# Altium PCB FX_MQTT.PcbDoc
Units mil, origin at the board's own origin, x right, y up, seen from the top; angles counter-clockwise.
Board outline 3162.42 x 1663.57 mil, 2 copper layers (Top Layer, Bottom Layer); 44 components, 42 nets, 253 pads, 133 vias.
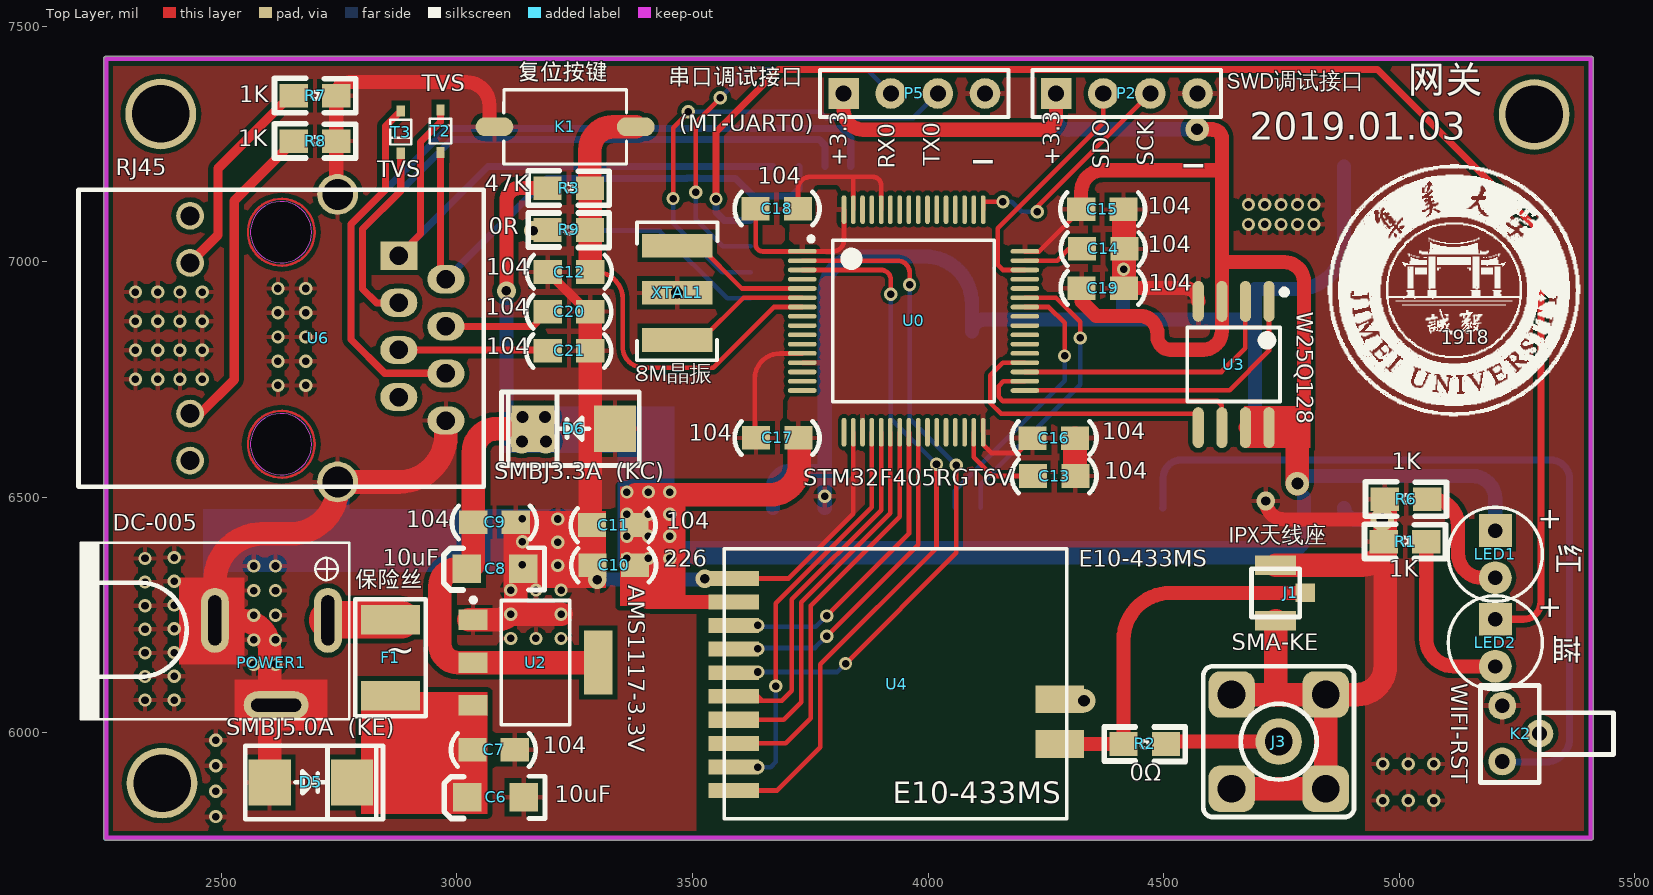
[diagram p0: Top Layer view]
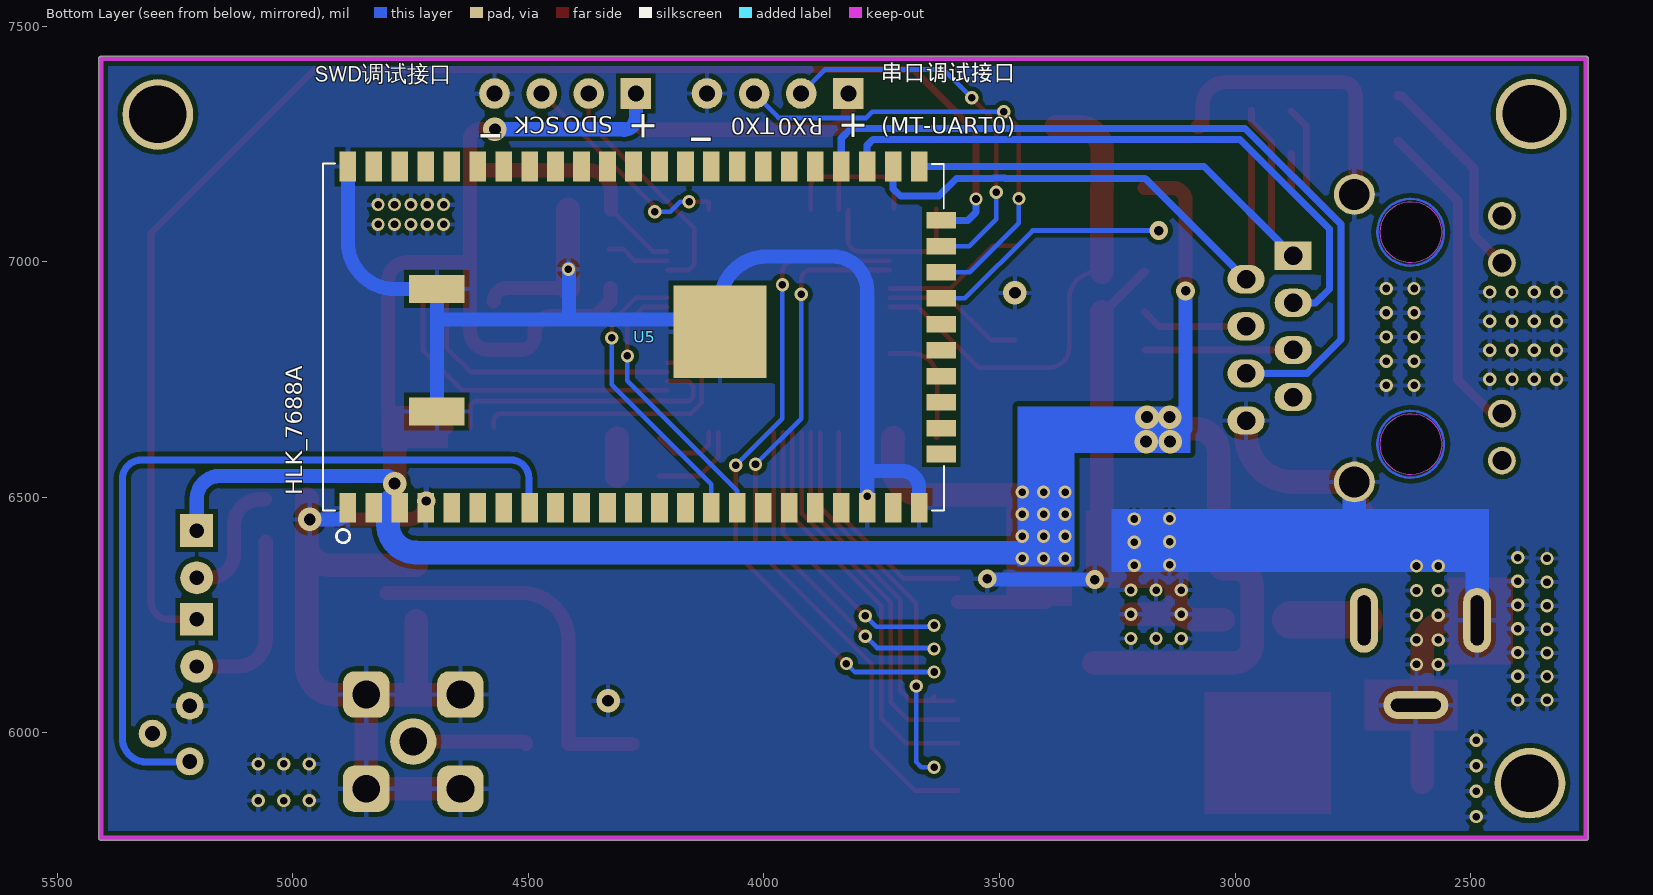
[diagram p1: Bottom Layer view, seen from below]
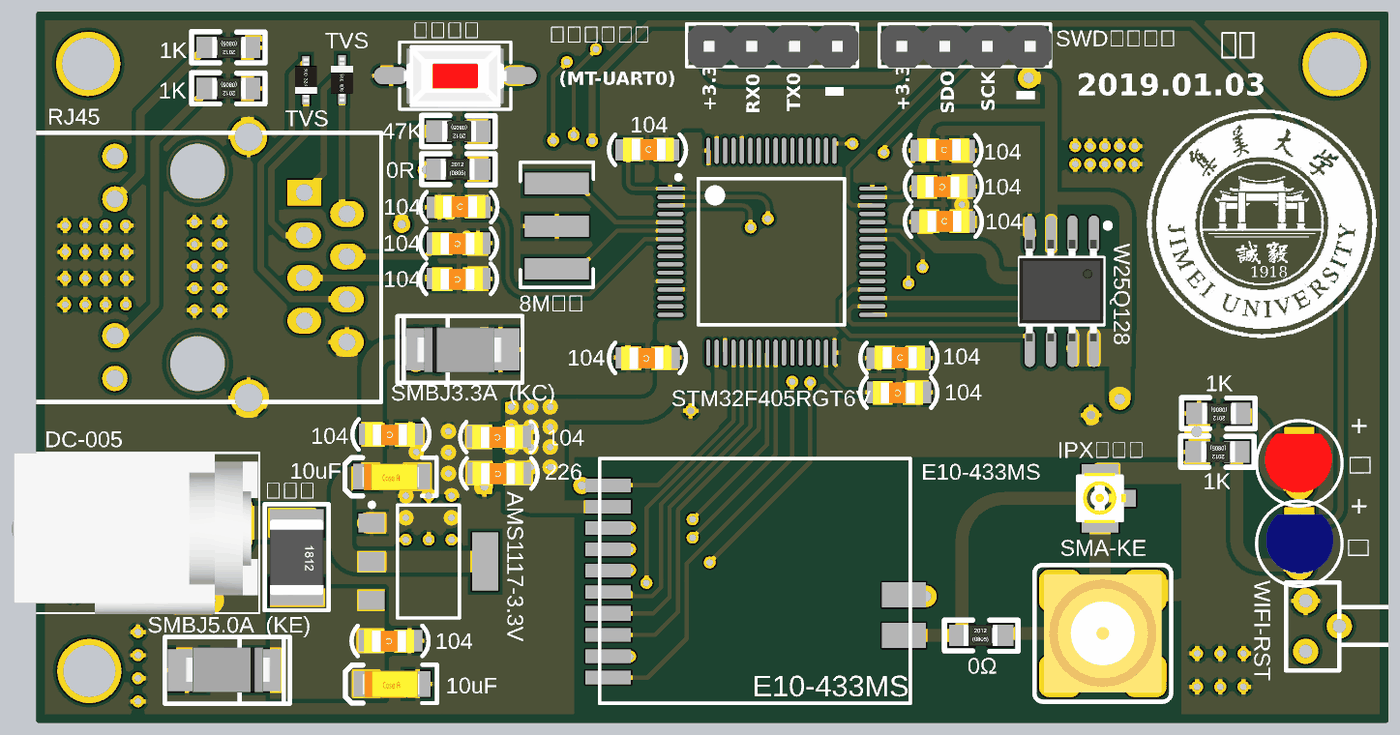
[diagram p2: 3D render of the assembled board from above, using the file's embedded part models]

## Layer stack, top to bottom
Top Solder: solder mask 0.4, Solder Resist, Dk 3.5
Top Layer: signal copper 1.4
Dielectric 1: dielectric 12.6, FR-4, Dk 4.8
Bottom Layer: signal copper 1.4
Bottom Solder: solder mask 0.4, Solder Resist, Dk 3.5

## Board outline
2255,5771.98 cw(c2255,5777) 2249.99,5777 2249.99,7430.54 cw(c2255,7430.54) 2255,7435.56 5404.61,7435.56 cw(c5404.61,7430.54) 5406,7435.36 cw(c5407.39,7430.54) 5412.41,7430.54 5412.41,5777 cw(c5407.39,5777) 5406,5772.18 cw(c5404.61,5777) 5404.61,5771.98

## Design rules (kind name [scope] priority, off if disabled: settings)
Clearance [All] p1: gap=8
ComponentClearance [All] p1: gap=0 collisioncheckmode=3 verticalgap=0 showdistances=FALSE
DiffPairsRouting [All] p1: maxlimit=10 minlimit=10 mostfreqgap=10 toplayer_minwidth=15 toplayer_maxwidth=15 toplayer_prefwidth=15 bottomlayer_minwidth=15 bottomlayer_maxwidth=15 bottomlayer_prefwidth=15 maxuncoupledlength=500
PolygonConnect [All] p1: connectstyle=Relief reliefconductorwidth=10 reliefentries=4 polygonreliefangle="90 Angle" airgapwidth=10
RoutingVias [All] p1: holewidth=28 width=50 viastyle="Through Hole" minholewidth=28 minwidth=50 maxholewidth=28 maxwidth=50
SolderMaskExpansion [All] p1: expansion=4
Width [All] p1: maxlimit=100 minlimit=10 preferedwidth=10
28 further rules are at their usual default settings.

## Classes and differential pairs
differential pair EPHY_RX: +EPHY_RX_P -EPHY_RX_N
differential pair EPHY_TX: +EPHY_TX_P -EPHY_TX_N

## Components (designator, comment, footprint, x,y, rotation, side; value= is the part's Value field where it differs from the comment)
C6 "10uF" TAJ-A 3022,5863 r180 top
C7 "104" 0805C 3118,5964 r180 top
C8 "10uF" TAJ-A 3021,6348 r180 top
C9 "104" 0805C 3120,6447 r180 top
C10 "226" 0805C 3373,6356 r180 top
C11 "104" 0805C 3372,6441 r180 top
C12 "104" 0805C 3198,6978 r0 top
C13 "104" 0805C 4307.94,6545 r180 top
C14 "104" 0805C 4412,7027 r180 top
C15 "104" 0805C 4330,7111 r0 top
C16 "104" 0805C 4227,6625 r0 top
C17 "104" 0805C 3720,6626 r180 top
C18 "104" 0805C 3639.06,7112 r0 top
C19 "104" 0805C 4331,6944 r0 top
C20 "104" 0805C 3278,6894 r180 top
C21 "104" 0805C 3278,6811 r180 top
D5 "SMBJ5.0A  (KE)" SMBJ 2603,5893.11 r90 top
D6 "SMBJ3.3A  (KC)" SMBJ 3335,6647 r270 top
F1 "保险丝" 1812 2859,6245 r270 top
J1 "IPX天线座" IPX天线底座 4804,6295 r180 top
J3 "SMA-KE" SMA-KE 4745,5980 r0 top
K1 "复位按键" 贴片按键 3374,7289 r180 top
K2 "WIFI-RST" "卧式侧按键 4.5*4.5*6" 5218,6057 r0 top
LED1 "红" LED-RED直插) 5202.06,6427 r270 top
LED2 "蓝" LED-BLUE(直插) 5206,6240 r270 top
P2 "SWD调试接口" "Header 4" 4271,7356 r90 top
P5 "串口调试接口" "Header 4" 3820,7356 r90 top
POWER1 "DC-005" DC-005 2731.38,6233.66 r180 top locked
R1 "1K" 0805R#1 5053,6407 r180 top
R2 "0Ω" 0805R#2 4415,5976.2 r0 top
R3 "47K" 0805R#2 3282.31,7156 r180 top
R6 "1K" 0805R#1 5055,6497 r180 top
R7 "1K" 0805R#2 2744,7352 r180 top
R8 "1K" 0805R#2 2744,7256 r180 top
R9 "0R" 0805R#1 3196.82,7066 r0 top
T2 "TVS" TVS 2965,7322 r0 top
T3 "TVS" TVS 2881,7230 r180 top
U0 "STM32F405RGT6V" LQFP-64(GOOD) 3831,7009 r0 top locked
U2 "AMS1117-3.3V" SOT-223 3033,6236 r270 top locked
U3 "W25Q128" SOW-8 4720,6833.76 r270 top
U4 "E10-433MS" E10-433MS 3585,6335 r0 top locked
U5 "HLK_7688A" MT7688 4088,6851 r0 bottom locked
U6 "RJ45" RJ45 2430,6997 r0 top locked
XTAL1 "8M晶振" 三脚贴片8M晶振 3465,7034 r0 top

## Footprints (in the part's own frame and the unit in brackets; to place one, negate y for a bottom-side part, rotate by r counter-clockwise, add the part's x,y. Pads: shape width x height; smd on the part's side, far side on the other; paste and mask are expansions set on the pad)
0805C [mil]
  rect 60x50 smd: 1(-5,0) 2(85,0)
  silkscreen extent -50,-35 131,36, body extent -16,-26 102,29, height 37
0805R#1 [mil]
  rect 60x50 smd: 1(-4.51,1.2) 2(85.49,1.2)
  silkscreen extent -46,-36 126,37, body extent -1,-23 78,26, height 18
0805R#2 [mil]
  rect 60x50 smd: 1(0,0) 2(90,0)
  silkscreen extent -41,-37 131,36, body extent 4,-25 83,25, height 18
1812 [mm]
  rect 1.6x3.2 smd: 1(0.127,0) 2(4.227,0)
  silkscreen extent -0.97,-1.9 5.33,1.9, body extent -0.07,-1.6 4.43,1.6, height 1.6
DC-005 [mm]
  oval 1.5x3.5 hole 0.7 slot 2.7 at 90 deg: 1(0.127,-0.127) 2(6.223,-0.127)
  oval 3.5x1.5 hole 0.7 slot 2.7 at 0 deg: 3(2.921,4.445)
  silkscreen extent -1.02,-4.32 13.46,5.21, body extent -0.92,-4.27 13.67,5.26, height 10.92
E10-433MS [mm]
  rect 2.7x0.8 smd: 1(0.068,-0.188) 2(0.068,-1.458) 3(0.068,-2.728) 4(0.068,-3.998) 5(0.068,-5.268) 6(0.068,-6.538) 8(0.068,-9.078) 9(0.068,-10.348) 10(0.068,-11.618)
  rect 2.7x0.9 smd: 7(0.068,-7.808)
  rect 2.6x1.5 smd: 11(17.64,-9.113) 12(17.64,-6.703)
  silkscreen extent -0.45,-13.14 18.02,1.41, body extent -0.45,-13.15 17.98,1.43, height 1.27
"Header 4" [mil]
  rect 65x65 hole 34: 1(0.95,-0.93)
  round 65 hole 34: 2(0.95,-100.93) 3(0.95,-200.93) 4(0.95,-300.93)
  silkscreen extent -49,-351 51,49, body extent -51,-354 49,46, height 336
IPX天线底座 [mm]
  rect 1.05x1 smd: 1(0.073,-0.048)
  rect 2.2x1.05 smd: 2(1.681,1.452) 3(1.681,-1.548)
  silkscreen extent 0.38,-1.35 2.98,1.25, body extent 0.15,-1.57 3,1.43, height 1.3
LED-BLUE(直插) [mil]
  rect 70x70 hole 30: 1(-0.98,-1.97)
  round 70 hole 30: 2(99.02,-1.97)
  silkscreen extent -51,-102 149,98, body extent -19,-80 119,78, height 205
LED-RED直插) [mil]
  rect 70x70 hole 30: 1(-1.97,1.97)
  round 70 hole 30: 2(98.03,1.97)
  silkscreen extent -52,-98 148,102, body extent -21,-79 117,79, height 205
LQFP-64(GOOD) [mm]
  oval 1.55x0.25 smd: 1(-2.486,0.325) 2(-2.486,-0.175) 3(-2.486,-0.676) 4(-2.486,-1.175) 5(-2.486,-1.675) 6(-2.486,-2.175) 7(-2.486,-2.675) 8(-2.486,-3.176) 9(-2.486,-3.675) 10(-2.486,-4.175) 11(-2.486,-4.675) 12(-2.486,-5.175) 13(-2.486,-5.676) 14(-2.486,-6.175) 15(-2.486,-6.675) 16(-2.486,-7.175) 33(9.514,-7.175) 34(9.514,-6.675) 35(9.514,-6.175) 36(9.514,-5.676) 37(9.514,-5.175) 38(9.514,-4.675) 39(9.514,-4.175) 40(9.514,-3.675) 41(9.514,-3.176) 42(9.514,-2.675) 43(9.514,-2.175) 44(9.514,-1.675) 45(9.514,-1.175) 46(9.514,-0.676) 47(9.514,-0.175) 48(9.514,0.325)
  oval 0.25x1.55 smd: 17(-0.236,-9.426) 18(0.263,-9.426) 19(0.764,-9.426) 20(1.264,-9.426) 21(1.763,-9.426) 22(2.264,-9.426) 23(2.763,-9.426) 24(3.264,-9.426) 25(3.764,-9.426) 26(4.263,-9.426) 27(4.764,-9.426) 28(5.263,-9.426) 29(5.764,-9.426) 30(6.264,-9.426) 31(6.763,-9.426) 32(7.264,-9.426) 49(7.264,2.575) 50(6.763,2.575) 51(6.264,2.575) 52(5.764,2.575) 53(5.263,2.575) 54(4.764,2.575) 55(4.263,2.575) 56(3.764,2.575) 57(3.264,2.575) 58(2.763,2.575) 59(2.264,2.575) 60(1.763,2.575) 61(1.264,2.575) 62(0.764,2.575) 63(0.263,2.575) 64(-0.236,2.575)
  silkscreen extent -2.14,-7.78 7.86,1.12, body extent -3.04,-9.97 10.09,3.15, height 1.21
MT7688 [mm] "MT7688模组"
  rect 0.9x1.6 smd: 1(20.2,9.49) 2(18.8,9.49) 3(17.4,9.49) 4(16,9.49) 5(14.6,9.49) 6(13.2,9.49) 7(11.8,9.49) 8(10.4,9.49) 9(9,9.49) 10(7.6,9.49) 11(6.2,9.49) 12(4.8,9.49) 13(3.4,9.49) 14(2,9.49) 15(0.6,9.49) 16(-0.8,9.49) 17(-2.2,9.49) 18(-3.6,9.49) 19(-5,9.49) 20(-6.4,9.49) 21(-7.8,9.49) 22(-9.2,9.49) 23(-10.6,9.49) 34(-10.6,-8.91) 35(-9.2,-8.91) 36(-7.8,-8.91) 37(-6.4,-8.91) 38(-5,-8.91) 39(-3.6,-8.91) 40(-2.2,-8.91) 41(-0.8,-8.91) 42(0.6,-8.91) 43(2,-8.91) 44(3.4,-8.91) 45(4.8,-8.91) 46(6.2,-8.91) 47(7.6,-8.91) 48(9,-8.91) 49(10.4,-8.91) 50(11.8,-8.91) 51(13.2,-8.91) 52(14.6,-8.91) 53(16,-8.91) 54(17.4,-8.91) 55(18.8,-8.91) 56(20.2,-8.91)
  rect 1.6x0.9 smd: 24(-11.8,6.59) 25(-11.8,5.19) 26(-11.8,3.79) 27(-11.8,2.39) 28(-11.8,0.99) 29(-11.8,-0.41) 30(-11.8,-1.81) 31(-11.8,-3.21) 32(-11.8,-4.61) 33(-11.8,-6.01)
  rect 3x1.5 smd: 57(15.4,-2.31) 58(15.4,4.29)
  rect 5x5 smd: 59(0.134,-0.01)
  silkscreen extent -11.93,-9.07 21.53,11.37, body extent -11.95,-9.08 21.52,9.65, height 2
RJ45 [mm]
  rect 2x1.524 hole 1: 1(11.347,0.398)
  oval 2x1.524 hole 1: 2(13.887,-0.872) 3(11.347,-2.142) 4(13.887,-3.412) 5(11.347,-4.682) 6(13.887,-5.952) 7(11.347,-7.222) 8(13.887,-8.492)
  round 1.5 hole 1.02: 9(0.097,2.548) 10(0.097,0.012) 11(0.097,-8.116) 12(0.097,-10.652)
  round 2.2 hole 1.65: 13(8.045,3.698) 14(8.045,-11.802)
  round 2.95 hole 3.25: MH3(5.01,-9.768) MH3(5.01,1.662)
  Keep-Out Layer circle w0.051: c4.997,1.664 r1.65
  Keep-Out Layer circle w0.051: c4.997,-9.766 r1.65
  Multi-Layer circle w0.127: c5.01,-9.768 r1.798
  Multi-Layer circle w0.127: c5.01,1.662 r1.798
  silkscreen extent -5.92,-12.05 15.92,3.95, body extent -5.82,-12.07 15.57,3.8, height 14
SMA-KE [mm] "天线接头"
  rrect50% 2.5x2.5 hole 1.5: 1(-2.557,2.57) 2(-2.557,-2.51) 3(2.523,-2.51) 4(2.523,2.57)
  round 2.5 hole 1.5: 5(-0.017,0.03)
  silkscreen extent -4.08,-4.03 4.05,4.09, body extent -3.52,-3.47 3.48,3.53, height 9.53
SMBJ [mil] "TVS瞬态抑制二极管"
  rect 98x90 smd: 1(1.65,0.6) 2(1.65,-174.4)
  silkscreen extent -77,-240 80,52, body extent -50,-196 55,5, height 83
SOT-223 [mm]
  rect 1.1x1.55 smd: 1(-0.09,0.029) 2(2.21,0.029) 3(4.51,0.029)
  rect 3.45x1.55 smd: 4(2.21,6.779)
  silkscreen extent -1.29,-0.07 5.56,5.25, body extent -1.09,-0.53 5.51,6.83, height 0.8
SOW-8 [mm]
  oval 2.2x0.6 smd: 1(-2.078,0.092) 2(-2.078,-1.178) 3(-2.078,-2.448) 4(-2.078,-3.718) 5(4.722,-3.718) 6(4.722,-2.448) 7(4.722,-1.178) 8(4.722,0.092)
  silkscreen extent -2.73,-4.31 3.32,1.07, body extent -1.72,-4.35 4.32,0.67, height 1.6
TAJ-A [mil]
  rect 60x60 smd: 1(0,0) 2(-120,0)
  silkscreen extent -165,-45 49,45, body extent -125,-31 9,32, height 65
TVS [mm]
  rect 0.45x0.6 smd: 1(0.003,-2.286) 2(0.003,0)
  silkscreen extent -0.57,-1.81 0.58,-0.48, body extent -0.65,-2.45 0.65,0.15, height 1
三脚贴片8M晶振 [mm] "CSTCC8M00G53-RO"
  rect 3.8x1.27 smd: 1(0.06,-0.006) 2(0.06,-5.086) 3(0.06,-2.546)
  silkscreen extent -2.1,-6.18 2.24,1.26, body extent -1.72,-6.23 1.84,1.26, height 1.5
"卧式侧按键 4.5*4.5*6" [mm] "卧式侧按键 4.5*4.5*6"
  round 1.5 hole 0.8: 1(0.022,-2.992) 2(0.022,0.008) 3(2.022,-1.492)
  silkscreen extent -1.15,-4.13 6.02,1.1
贴片按键 [mil]
  oval 80x40 smd: 1(-5.71,2.8) 2(294.29,2.8)
  silkscreen extent 14,-76 274,82, body extent 24,-69 264,77, height 98

## Part data
C6 C8: library part "Pol Cap", "极性贴片电容"
C7 C9 C10 C11 C12 C13 C14 C15 C16 C17 C18 C19 C20 C21: library part Cap1, "无极贴片电容"
D5 D6: library part Diode, "二极管"
F1: library part Fuse
J3: "SMA天线底座"
K1: library part 贴片按键, "轻触开关"
K2: library part 轻触按键, "轻触开关"
LED1 LED2: library part LED, "发光二极管"
P2 P5: library part "Header 4", "排针"
POWER1: "电源插孔"
R1 R2 R3 R6 R7 R8 R9: library part Res, "电阻"
U0: "ARM Cortex-M4 32-bit MCU+FPU, 210 DMIPS, 1024 kB Flash, 192 kB Internal RAM, 51 I/Os, 64-pin LQFP, -40 to 85 degC, Tray"
U2: library part AMS1117-3.3V/5.0V, "电源芯片"
U3: "FLASHоƬ"
U4: "E10-433MS通信模块"
XTAL1: library part XTAL三脚贴片晶振, "CSTCC8M00G53-RO 8.000M"

## Free pads (board coordinates)
  round 150 hole 122.05: 1(2371.5,7313.43) 2(5286.5,7312.43) 4(2374.11,5893.11)

## Via types
v1: diameter 28, hole 16, Top Layer to Bottom Layer, 119 vias
v2: diameter 50, hole 25, Top Layer to Bottom Layer, 9 vias
v3: diameter 40, hole 20, Top Layer to Bottom Layer, 5 vias

## Nets (pads, with @x,y where several pads share a name; then routed paths per layer and width w, separated by ;. In a path a pad name is that pad's centre, name@x,y a point inside that pad or via, vN(x,y) a via of type N, cw(c..) or ccw(c..) an arc to the next point about the centre after c; other vN are vias at no path point)
3.3V: C8.1 C9.2 C10.1 C11.1 C15.1 C16.1 C17.1 C18.1 C19.1 D6.2 LED1.1 P2.1 P5.1 R3.2 U0.1 U0.13 U0.19 U0.32 U0.48 U0.64 U2.2 U2.4 U3.3 U3.7 U3.8 U4.2 U5.2 U5.3 | length 8013.5
  Top Layer w10: C18.1 3634.06,7036.94 ccw(c3649.22,7036.94) 3649.22,7021.78 U0.1 3797.94,7021.78 ccw(c3797.94,7045.52) 3821.69,7045.52 U0.64 ; C17.1 C17.1@3739,6626 ; U0.32 4116.96,6611.04 4134,6594 4191,6594 C16.1 ; U0.48 4235.78,7021.78 C15.1
  Top Layer w30: v3(3105,6938) 3105,7129 cw(c3132,7129) 3132,7156 R3.2 ; 3378,6310.58 ccw(c3411,6310.58) 3411,6277.58 U4.2 ; P5.1 3820.93,7322.07 ccw(c3863,7322.07) 3863,7280 4245.19,7280 ccw(c4245.19,7306.74) 4271.93,7306.74 P2.1 ; C15.1 4325,7147.58 cw(c4371.42,7147.58) 4371.42,7194 4621.61,7194 cw(c4621.61,7192) 4623.61,7192 ; C19.1 4326,6916 4357,6885 4449,6885 cw(c4449,6847) 4487,6847 4487,6841 ccw(c4515,6841) 4515,6813 4584,6813 ccw(c4584,6852.61) 4617.27,6831.11 ccw(c4584,6852.61) 4623.61,6852.61 U3.3 4623.61,6995.86 ; v2(4571,7281) 4604,7281 4605,7280 cw(c4605,7261.39) 4623.61,7261.39 4623.61,7192 ; U3.7 U3.8 4753.84,6647.84 ccw(c4753.84,6692) 4780.43,6656.74 ccw(c4753.84,6692) 4798,6692 4798,6957 ccw(c4756,6957) 4756,6999 4626.76,6999 ccw(c4626.76,6995.86) 4623.61,6995.86 ; 4623.61,6995.86 4623.61,7192
  Top Layer w50: D6.2@3128.11,6645.35 3085,6645.35 ccw(c3085,6595.35) 3035,6595.35 C9.2 3035,6362 cw(c3021,6362) C8.1 3001,6348 ccw(c3001,6311) 2964,6311 2964,6188 ccw(c3003,6188) 3003,6149 U2.2 U2.4 ; 3377,6412 cw(c3379,6412) 3379,6414 ; 3380,6505 3664,6505 ccw(c3664,6568) 3727,6568 3727,6624 ccw(c3725,6624) C17.1 ; 4780.43,6656.74 cw(c4780.43,6655.17) 4782,6655.17 4784,6653.17 v2(4784,6529)
  Bottom Layer w30: v3(3105,6938) 3105,6647 ccw(c3107,6647) 3107,6645 ; P2.1 4271.93,7305.07 ccw(c4297,7305.07) 4297,7280 4298,7281 v2(4571,7281) ; v2(4784,6529) cw(c4800,6529) 4800,6545 5155.52,6545 cw(c5155.52,6496.49) 5204.03,6496.49 LED1.1 ; 4798,6444 4798,6500
  Bottom Layer w50: 3211,6643 3340,6643 cw(c3340,6604) 3379,6604 ; 3380,6471.08 3380,6505 ; 3418,6382 4738.68,6382 ; 4738.68,6382.68 ccw(c4738.68,6442) 4798,6442
  other v1: 3361,6370 3406.5,6370 3452,6370 3361,6417 3406.5,6417 3452,6417 3361,6464 3406.5,6464 3452,6464 3361,6511 3406.5,6511 3452,6511
  other v2: 3138,6618 3189,6618 3139,6670 3187,6670
5.0V: C6.1 C7.2 D5.2 F1.2 U2.3
EPHY_RX_N: T3.1 U5.37 U6.6 | length 2450.7
  Top Layer w15: T3.1 2848.37,7287.48 2848.37,7152.72 2775,7079.36 2775,6835.03 2846.87,6763.16 U6.6@2976.74,6763.16
  Bottom Layer w15: U6.6 2847.34,6762.66 2775,6835 2775,7079.36 2978.64,7283 3815,7283 3836.03,7261.97 U5.37
EPHY_RX_P: T3.2 U5.36 U6.3 | length 1736.1
  Top Layer w15: U6.3 2829.34,6912.66 2800,6942 2800,7069 2880.87,7149.87 T3.2
  Bottom Layer w15: U6.3 2829.34,6912.66 2800,6942 2800,7069 2990,7259 3769,7259 3780.91,7247.09 U5.36
EPHY_TX_N: T2.1 U5.35 U6.2 | length 1181.7
  Top Layer w15: T2.1 2965.13,6974.27 U6.2
  Bottom Layer w15: U6.2 3190.87,7176.79 3488.07,7176.79 3488.78,7177.5 3513.22,7177.5 3513.9,7176.82 3519.22,7176.82 3519.25,7176.79 3591.21,7176.79 3629,7139 3710,7139 3725.8,7154.8 U5.35
EPHY_TX_P: T2.2 U5.34 U6.1 | length 1218.2
  Top Layer w15: U6.1 2923,7058.92 2923,7254 2965.13,7296.13 T2.2
  Bottom Layer w15: U6.1 3065.87,7201.79 U5.34
GND: C6.2 C7.1 C8.2 C9.1 C10.2 C11.2 C12.1 C13.1 C14.1 C15.2 C16.2 C17.2 C18.2 C19.2 C20.1 C21.1 D5.1 D6.1 J1.2 J1.3 J3.1 J3.2 J3.3 J3.4 K1.2 K2.2 P2.4 P5.4 POWER1.2 POWER1.3 R1.2 R6.2 R7.1 R8.1 U0.12 U0.18 U0.60 U0.63 U2.1 U3.4 U4.1 U4.12 U5.1 U5.4 U5.21 U5.23 U5.56 U5.57 U5.58 U5.59 U6.8 U6.13 U6.14 XTAL1.3 | length 9318.7
  Top Layer w10: U4.1 3704.13,6327.58 3841.37,6464.83 U0.18 ; C17.2 cw(c3635,6629) 3632,6629 3632,6751 cw(c3686.24,6751) 3686.24,6805.24 U0.12 ; C18.2 3724.06,7154.06 cw(c3750,7154.06) 3750,7180 3841.37,7180 ; U0.63 3841.37,7180 ; U0.60 3900.43,7162 ccw(c3882.43,7162) 3882.43,7180 3841.37,7180
  Top Layer w20: C12.1 3277,6894 C20.1
  Top Layer w30: U6.13 2744,7145.32 R8.1 R7.1 cw(c2773,7352) 2773,7381 3020,7381 cw(c3020,7332) 3069,7332 3069,7296.91 ccw(c3079.71,7296.91) K1.2 ; C19.2 4545.17,6944 cw(c4545.17,6915.56) U3.4 ; v3(4717,6492) ccw(c4756,6492) 4756,6453 v2(4964,6453)
  Top Layer w50: D5.1 2602.4,6176.7 ccw(c2540.44,6176.7) 2540.44,6238.66 POWER1.2 2486.38,6322 cw(c2586.38,6322) 2586.38,6422 2646.74,6422 ccw(c2646.74,6522) 2746.74,6522 U6.14 2876.74,6532.35 ccw(c2876.74,6632.35) 2976.74,6632.35 U6.8 ; U2.1@3025,6239.55 U2.1 3083.55,6239.55 ccw(c3083.55,6281) 3125,6281 C9.1 ; v1(3114.39,6251.65) v1(3221.1,6251.65) ; C10.2@3283,6361 C21.1 C20.1 ; C16.2 4312,6545.94 ccw(c4312.94,6545.94) C13.1 ; C15.2 cw(c4415,7110) 4416,7110 C19.2 ; J3.2 J3.3 J3.4 ; J3.1 4732,6081.18 ; J1.2 4737.81,6086.99 cw(c4732,6086.99) 4732,6081.18 ; J1.3 4921.66,6355.94 ccw(c4921.66,6404.8) R1.2@4970.51,6404.8 ; R6.2 cw(c4969.51,6494.8) 4970.51,6494.8 R1.2@4970.51,6404.8 ; 4732,6081.18 J3.4 ; J3.4 4910.18,6081.18 ccw(c4910.18,6141.52) 4970.51,6141.52 R1.2@4970.51,6404.8
  Bottom Layer w30: v3(3298,6325) 3524,6325 v3(3526,6327) ; U5.23 3670.68,6518.68 cw(c3708,6518.68) 3708,6556 3780.91,6556 ; U5.21 3780.91,6556 ; v1@4415,6985 ccw(c4415,6984) 4414,6984 4414,6877 ; U5.58 4694.3,6877 ; U5.1 ccw(c4907.65,6477.38) 4907.65,6453 v2(4964,6453) ; U5.56 4883.28,7041.94 cw(c4783.28,7041.94) 4783.28,6941.94 U5.57 4694.3,6877 ; 3780.91,6556 3780.91,6937.91 cw(c3854,6937.91) 3854,7011 3993.28,7011 cw(c3993.28,6911) 4065.25,6980.43 cw(c3993.28,6911) 4093.28,6911 U5.59 cw(c4118.9,6851.38) 4118.9,6877 4414,6877 ; 4414,6877 4694.3,6877
  Bottom Layer w50: POWER1.2 2486.38,6379.62 ; U6.14 2746.74,6415.26 ccw(c2749,6415.26) 2749,6413
  other v1: 2488,5822 4965.11,5856 5019.21,5856 5073.31,5856 2488,5876 2488,5930 4965.11,5934 5019.21,5934 5073.31,5934 2488,5984 2338,6069.38 2400,6069.38 2338,6119.48 2400,6119.82 2569,6145 2615,6145 2338,6169.59 2400,6170.25 2569,6197.25 2615,6197.25 3114.39,6200.29 3167.75,6200.29 3221.1,6200.29 2338,6219.69 2400,6220.69 2569,6249.5 2615,6249.5 2338,6269.79 2400,6271.13 2569,6301.75 2615,6301.75 3114.39,6303 3167.75,6303 3221.1,6303 2338,6319.9 2400,6321.56 2569,6354 2615,6354 3214,6355.25 3139,6356.25 2338,6370 2400,6372 3214,6404.5 3139,6405.5 3214,6453.75 3139,6454.75 3780.66,6502 2620,6737.25 2679,6737.25 2317.78,6750.33 2365,6750.33 2412.22,6750.33 2459.45,6750.33 2620,6788.69 2679,6788.69 2317.78,6812 2365,6812 2412.22,6812 2459.45,6812 2620,6840.12 2679,6840.12 2317.78,6873.67 2365,6873.67 2412.22,6873.67 2459.45,6873.67 2620,6891.56 2679,6891.56 2317.78,6935.33 2365,6935.33 2412.22,6935.33 2459.45,6935.33 2620,6943 2679,6943 4415,6984 4680,7079 4714.75,7079 4749.5,7079 4784.25,7079 4819,7079 4680,7121 4714.75,7121 4749.5,7121 4784.25,7121 4819,7121
  other v2: 4331,6068 3467.36,6933.76
GPIO0(C4): U0.24 U4.3 | length 612.7
  Top Layer w10: v1(3785,6248) 3959.48,6422.48 U0.24
  Bottom Layer w10: v1@3644,6225 3762,6225 v1(3785,6248)
  other v1: 3639,6228
GPIO1(C5): U0.25 U4.4 | length 675.5
  Top Layer w10: v1@3792,6205 v1(3785,6205) 3979.17,6399.17 U0.25
  Bottom Layer w10: v1@3643,6180 3760,6180 v1(3785,6205) ; v1@3646,6178 v1@3648,6180
  other v1: 3639,6178
MT7866_IO: R9.1 U5.30 | length 521
  Bottom Layer w10: v3(3162,7066) 3430,7066 3573.74,6922.26 U5.30
NetC13_2: C13.2 U0.31 | length 195.3
  Top Layer w10: U0.31 4097.28,6584.72 4137,6545 C13.2
NetC14_2: C14.2 U0.47 | length 132.5
  Top Layer w10: U0.47 4274.09,7002.09 4299,7027 C14.2 ; C14.2@4328.5,7025.5 C14.2@4329,7026
NetC20_2: C20.2 U6.4 | length 229.2
  Top Layer w15: U6.4 3161.66,6862.66 C20.2
NetC21_2: C21.2 U6.5 | length 314.6
  Top Layer w15: U6.5 C21.2@3191.34,6812.66
NetJ1_1: J1.1 R2.1 U4.11 | length 799.4
  Top Layer w30: U4.11 R2.1 4415,6196.89 cw(c4515,6196.89) 4515,6296.89 J1.1
NetJ3_5: J3.5 R2.2 | length 242.2
  Top Layer w30: R2.2 cw(c4509.98,5976.2) 4509.98,5981.18 J3.5
NetLED1_2: LED1.2 R6.1 | length 265.4
  Top Layer w30: R6.1 5068.98,6495.8 cw(c5068.98,6439.78) 5125,6439.78 5125,6379.91 ccw(c5175.95,6379.91) 5175.95,6328.97 LED1.2
NetLED2_2: LED2.2 R1.1 | length 386.1
  Top Layer w30: R1.1 5057.51,6199.82 ccw(c5116.35,6199.82) 5116.35,6140.98 LED2.2
NetR7_2: R7.2 U6.10 | length 449.8
  Top Layer w20: U6.10 2493,7056.64 2493,7198 2647,7352 R7.2
NetR8_2: R8.2 U6.11 | length 682.4
  Top Layer w20: U6.11 2455.46,6677.46 2527,6749 2527,7129 R8.2
NetU0_5: U0.5 XTAL1.1 | length 303.3
  Top Layer w10: XTAL1.1 3514.24,7033.76 3604.96,6943.04 U0.5
NetU0_6: U0.6 XTAL1.2 | length 302.9
  Top Layer w10: XTAL1.2 3518.76,6833.76 3608.35,6923.35 U0.6
POW-5.0V: F1.1 POWER1.1 | length 156.4
  Top Layer w80: POWER1.1 cw(c2727.72,6238.66) 2727.72,6240 F1.1@2882,6240
SDN(C14): U0.3 U4.10 | length 1555.9
  Top Layer w10: U4.10 3679.58,5877.58 3771,5969 3771,6145 4018,6392 v1(4018,6570) ; U0.3 3899.86,6982.41 cw(c3899.86,6961.27) 3921,6961.27 v1(3921,6931)
  Bottom Layer w10: v1(3921,6931) 3921,6667 v1(4018,6570)
SPI1_INT(C13): U0.2 U4.5 | length 1403.7
  Top Layer w10: U0.2 3935.2,7002.09 cw(c3935.2,6976.29) 3961,6976.29 v1(3961,6951) ; v1(3825,6147) 4060,6382 v1(4060,6568)
  Bottom Layer w10: v1(3639,6129) 3807,6129 v1(3825,6147) ; v1(3961,6951) 3961,6667 v1(4060,6568)
SPI1_MISO(A6): U0.22 U4.7 | length 810.1
  Top Layer w10: U4.7 3693.58,6027.58 3731,6065 3731,6277 3920.11,6466.11 U0.22
SPI1_MOSI(A7): U0.23 U4.8 | length 870.8
  Top Layer w10: U4.8 3698,5977.58 3751,6030.58 3751,6270 3939.8,6458.8 U0.23
SPI1_NSS(A4): U0.20 U4.9 | length 826.9
  Top Layer w10: v1(3677,6099) 3677,6275 3880.74,6478.74 U0.20
  Bottom Layer w10: v1(3639,5927) 3666,5927 3677,5938 v1(3677,6099)
SPI1_SCK(A5): U0.21 U4.6 | length 763.4
  Top Layer w10: U4.6@3597.26,6068 3690,6068 3711,6089 3711,6283 3900.43,6472.43 U0.21 ; U4.6@3638.42,6077.58 3648,6068
SPI2_MISO(B14): U0.35 U3.2 | length 588
  Top Layer w10: U0.35 4622.87,6765.87 4673.61,6816.61 U3.2
SPI2_MOSI(B15): U0.36 U3.5 | length 618.2
  Top Layer w10: U0.36 4158.56,6785.56 4132,6759 4132,6700 4155,6677 4564,6677 4573.61,6667.39 U3.5
SPI2_NSS(B12): U0.33 U3.1 | length 657.9
  Top Layer w10: U0.33 4206.05,6727 4640,6727 4723.61,6810.61 U3.1
SPI2_SCK(B13): U0.34 U3.6 | length 611.2
  Top Layer w10: U0.34 4160.19,6746.19 4150,6736 4150,6713 4158.85,6704.15 4614.85,6704.15 4623.61,6695.39 U3.6
STM32_RST: C12.2 K1.1 R3.1 R9.2 U0.7 | length 1036.2
  Top Layer w10: C12.2@3295,6978 cw(c3295,6921) 3352,6921 3352,6819 ccw(c3396,6819) 3354.44,6804.56 ccw(c3396,6819) 3381.56,6777.44 ccw(c3396,6819) 3396,6775 3544,6775 3672.67,6903.67 U0.7
  Top Layer w50: C12.2 3283,7156 R3.1 3282.31,7236.9 cw(c3331.61,7236.9) 3331.61,7286.2 K1.1
SWCLK: P2.3 U0.49 | length 497.6
  Top Layer w10: U0.49 4116.96,7124.96 4119,7127 v1(4159,7127) ; v1(4232,7106) 4232,7117.02 P2.3 ; P2.3@4471.93,7366.95 P2.3@4471.93,7375.07
  Bottom Layer w10: v1(4159,7127) 4178,7127 4199,7106 v1(4232,7106)
SWDIO: P2.2 U0.46 | length 528.6
  Top Layer w10: U0.46 4158.59,6982.41 4148,6993 4148,7071 4371.93,7294.93 P2.2 P2.2@4371.93,7366.95
U1_RX(A10): U0.43 U5.15 | length 620.9
  Top Layer w10: U0.43 4271.65,6923.35 4323,6872 v1(4323,6838)
  Bottom Layer w10: U5.15 4111.62,6527.62 4323,6739 v1(4323,6838)
U1_TX(A9): U0.42 U5.16 | length 587.7
  Top Layer w10: U0.42 4256.33,6903.67 4290,6870 v1(4290,6800)
  Bottom Layer w10: U5.16 4056.5,6513.57 4290,6747.07 v1(4290,6800)
UART_RXD0: P5.2 U5.32 | length 827.7
  Top Layer w10: v1(3507,7147.32) 3507,7295 3559,7347 v1(3559,7348)
  Bottom Layer w10: v1(3507,7147.32) 3507,7090 3564.5,7032.5 U5.32 ; v1(3559,7348) 3619,7408 3869.88,7408 P5.2
UART_TXD0: P5.3 U5.31 | length 1013.9
  Top Layer w10: v1(3459,7134) 3459,7284 3491,7316 v1(3491,7318)
  Bottom Layer w10: v1(3459,7134) 3459,7082 3563.62,6977.38 U5.31 ; v1(3491,7318) 3770,7318 3783,7305 3968.98,7305 P5.3
WIFI-RESET: K2.1 U5.8 | length 1694.5
  Bottom Layer w15: U5.8 ccw(c4497.45,6478.93) 4499,6478.93 4499,6541 cw(c4537,6541) 4537,6579 5321,6579 cw(c5321,6538) 5362,6538 5362,5989 cw(c5311,5989) 5311,5938 5220.07,5938 cw(c5220.07,5939.21) K2.1
WIFI_LED: LED2.1 U5.33 | length 3101.6
  Top Layer w15: v1(3550,7133) 3550,7275 3683,7408 4954,7408 5301,7061 5301,6278 cw(c5263.98,6278) 5263.98,6240.98 LED2.1
  Bottom Layer w15: v1(3550,7133) 3550,7105 3567.39,7087.61 U5.33
pads on no net: K2.3 U0.4 U0.8 U0.9 U0.10 U0.11 U0.14 U0.15 U0.16 U0.17 U0.26 U0.27 U0.28 U0.29 U0.30 U0.37 U0.38 U0.39 U0.40 U0.41 U0.44 U0.45 U0.50 U0.51 U0.52 U0.53 U0.54 U0.55 U0.56 U0.57 U0.58 U0.59 U0.61 U0.62 U5.5 U5.6 U5.7 U5.9 U5.10 U5.11 U5.12 U5.13 U5.14 U5.17 U5.18 U5.19 U5.20 U5.22 U5.24 U5.25 U5.26 U5.27 U5.28 U5.29 U5.38 U5.39 U5.40 U5.41 U5.42 U5.43 U5.44 U5.45 U5.46 U5.47 U5.48 U5.49 U5.50 U5.51 U5.52 U5.53 U5.54 U5.55 U6.7 U6.9 U6.12 U6.MH3

## Polygon pours and split planes (outlines as drawn)
3.3V on Top Layer "Top Layer-No Net" (solid, remove dead copper, pour order 32): 3707,7150 cw(c3710,7150) 3710,7153 4302,7153 cw(c4302,7116) 4339,7116 4339,7098 4339,6583 cw(c4306,6583) 4306,6550 3756,6550 cw(c3756,6605) 3701,6605
GND on Top Layer "Top Layer-No Net" (solid, remove dead copper, pour order 38): 1999,6992 ccw(c1999,7002) 2009,7002 2009,7507 cw(c2105,7507) 2105,7603 2531,7603 5421,7603 cw(c5421,7503) 5521,7503 5521,6979 5521,5721 cw(c5421,5721) 5421,5621 5353,5621 2119,5621 cw(c2119,5721) 2019,5721 2019,5894.76
GND on Bottom Layer "Top Layer-No Net" (solid, remove dead copper, pour order 34): 2077,7266 ccw(c2077,7273) 2084,7273 2084,7571 cw(c2179,7571) 2179,7666 2426,7666 5472,7666 cw(c5472,7566) 5572,7566 5572,7323 5572,5742 cw(c5472,5742) 5472,5642 5142,5642 2181,5642 cw(c2181,5742) 2081,5742 2081,5880

## Keep-outs
Keep-Out Layer:
  lines w10: 2255,5775 2255,7428.54 ; 2255,5777 5404.61,5777 ; 2255,7430.54 5404.61,7430.54 ; 5407.39,5777 5407.39,7430.54

## Other copper
Top Layer:
  rectangle net 5.0V: 2796,5828 3065,6086.07
  rectangle net GND: 3099,6307 3317,6471
  rectangle net 3.3V: 3346,6269 3485,6523
  rectangle net 3.3V: 4671,6605 4812,6694
  rectangle net GND: 2410,6145 2549,6330
  rectangle net GND: 2528,6005 2725,6113
  pour cut-out: 3508,5778.14 3508,6394 4928,6394 4928,5782.42
Bottom Layer:
  rectangle net 3.3V: 3120,6600 3222,6693
  rectangle net 3.3V: 3095,6594 3462,6693
  rectangle net 3.3V: 3341,6353 3462,6632
  rectangle net GND: 2461,6341 3262,6475

## Silkscreen, mask and mechanical layers (free items; w line width, h text height)
Top Overlay:
  drawing of 2455 lines, arcs and shapes, not listed
  text "网关" at 5018,7339 h100
  text "-" at 4146,7289 h200 r180
  text "-" at 4593,7281 h200 r180
  text "(MT-UART0)" at 3472,7265 h60
  text "2019.01.03" at 4683,7240 h100
  text "+3.3" at 4291.14,7204.05 h60 r90
  text "+3.3" at 3839,7203 h60 r90
  text "TX0" at 4036.14,7203.05 h60 r90
  text "SCK" at 4491.14,7203.05 h60 r90
  text "RX0" at 3941.14,7197.05 h60 r90
  text "SDO" at 4396.14,7197.05 h60 r90
  text "1918" at 5088.4,6814.82 h50
Bottom Overlay:
  text "串口调试接口" at 3752,7372 h60
  text "SWD调试接口" at 4953,7370 h60
  text "-" at 4551,7345 h200 r180
  text "-" at 4104,7337 h200 r180
  text "+" at 3854,7322.07 h100 r90
  text "+" at 4300,7321 h100 r90
  text "SDO" at 4321,7319.98 h60 r180
  text "SCK" at 4433,7319 h60 r180
  text "TX0" at 3978,7317 h60 r180
  text "RX0" at 3874,7316 h60 r180
  text "(MT-UART0)" at 3751,7260 h60

## Text inside footprints (layer, text, board x,y; h text height)
F1: Top Overlay "~" at 2845.92,6129.65 h98.43
LED1: Top Overlay "+" at 5284.32,6426.59 h78.74 r270
LED2: Top Overlay "+" at 5284.32,6238.61 h78.74 r270